# KiCad board mse-68-vhdci-panel.kicad_pcb (continued)
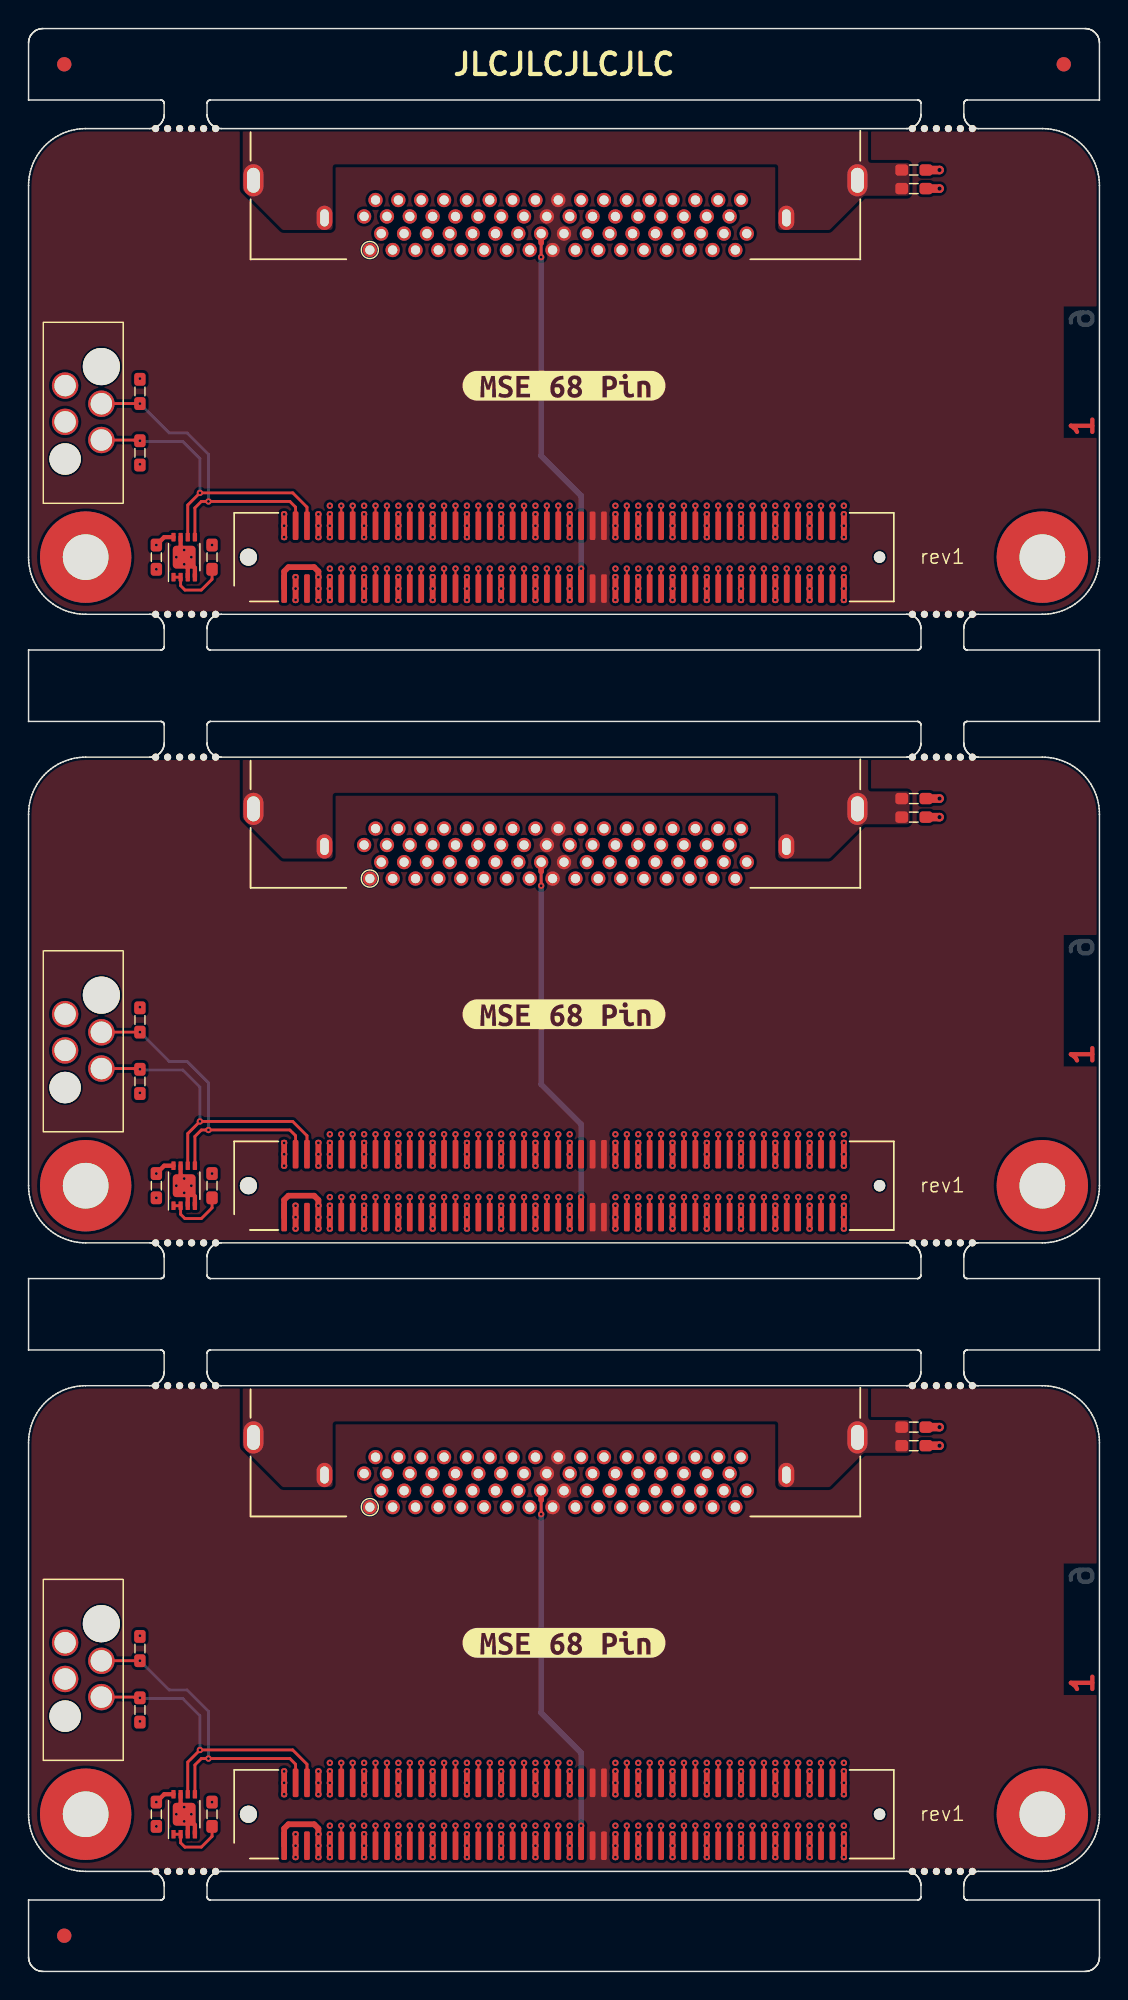
[diagram p0: board, top side]
## Routing (per net, layer and track width the routed paths; a pad name or vN(x,y) marks a point on that pad's centre or on a via; arc(x,y) is an arc through that point) (continued)
Board_2-/CON.DB13-: length 27
  Top w0.151: v1(22.7,14.6) J1.14
  In2.Cu w0.151: v1(22.7,14.6) 24.9,16.8 24.9,18 arc(24.97,18.17) 25.14,18.24 25.15,18.24 arc(25.32,18.31) 25.39,18.48 25.39,18.6 arc(25.32,18.77) 25.15,18.84 25.14,18.84 arc(24.97,18.91) 24.9,19.08 24.9,19.2 arc(24.97,19.37) 25.14,19.44 25.15,19.44 arc(25.32,19.51) 25.39,19.68 25.39,19.8 arc(25.32,19.97) 25.15,20.04 25.14,20.04 arc(24.97,20.11) 24.9,20.28 24.9,20.4 arc(24.97,20.57) 25.14,20.64 25.15,20.64 arc(25.32,20.71) 25.39,20.88 25.39,21 arc(25.32,21.17) 25.15,21.24 25.14,21.24 arc(24.97,21.31) 24.9,21.48 24.9,21.6 arc(24.97,21.77) 25.14,21.84 25.15,21.84 arc(25.32,21.91) 25.39,22.08 25.39,22.2 arc(25.32,22.37) 25.15,22.44 25.14,22.44 arc(24.97,22.51) 24.9,22.68 24.9,22.8 arc(24.97,22.97) 25.14,23.04 25.15,23.04 arc(25.32,23.11) 25.39,23.28 25.39,23.4 arc(25.32,23.57) 25.15,23.64 25.14,23.64 arc(24.97,23.71) 24.9,23.88 24.9,32.69 24.1,33.49 24.1,34 24.3,34.2 J4.36
Board_2-/CON.DB14+: length 29.6
  Top w0.151: J1.17 v1(24.3,10.2)
  In3.Cu w0.151: J4.3 26.1,31.9 26.1,29.88 arc(26.03,29.71) 25.86,29.64 arc(25.69,29.57) 25.62,29.4 25.62,29.28 arc(25.69,29.11) 25.86,29.04 arc(26.03,28.97) 26.1,28.8 26.1,28.68 arc(26.03,28.51) 25.86,28.44 arc(25.69,28.37) 25.63,28.2 25.63,28.08 arc(25.69,27.91) 25.86,27.84 arc(26.03,27.77) 26.1,27.6 26.1,27.48 arc(26.03,27.31) 25.86,27.24 arc(25.69,27.17) 25.63,27 25.63,26.88 arc(25.69,26.71) 25.86,26.64 arc(26.03,26.57) 26.1,26.4 26.1,26.21 arc(26.04,26.07) 25.9,26.01 arc(25.75,25.95) 25.69,25.8 25.69,25.61 arc(25.75,25.47) 25.9,25.41 arc(26.04,25.35) 26.1,25.2 26.1,25.01 arc(26.04,24.87) 25.9,24.81 arc(25.75,24.75) 25.69,24.6 25.69,24.41 arc(25.75,24.27) 25.9,24.21 arc(26.04,24.15) 26.1,24 26.1,23.81 arc(26.04,23.67) 25.9,23.61 arc(25.75,23.55) 25.69,23.4 25.69,23.21 arc(25.75,23.07) 25.9,23.01 arc(26.04,22.95) 26.1,22.8 26.1,22.61 arc(26.04,22.47) 25.9,22.41 arc(25.75,22.35) 25.69,22.2 25.69,22.01 arc(25.75,21.87) 25.9,21.81 arc(26.04,21.75) 26.1,21.6 26.1,21.41 arc(26.04,21.27) 25.9,21.21 arc(25.75,21.15) 25.69,21 25.69,20.81 arc(25.75,20.67) 25.9,20.61 arc(26.04,20.55) 26.1,20.4 26.1,20.21 arc(26.04,20.07) 25.9,20.01 arc(25.75,19.95) 25.69,19.8 25.69,19.61 arc(25.75,19.47) 25.9,19.41 arc(26.04,19.35) 26.1,19.2 26.1,19.01 arc(26.04,18.87) 25.9,18.81 arc(25.75,18.75) 25.69,18.6 25.69,18.41 arc(25.75,18.27) 25.9,18.21 arc(26.04,18.15) 26.1,18 26.1,16.4 24.7,15 24.7,10.6 v1(24.3,10.2)
Board_2-/CON.DB14-: length 27
  Top w0.151: J1.18 v1(24.3,14.6)
  In2.Cu w0.151: v1(24.3,14.6) 26.1,16.4 26.1,18 arc(26.05,18.13) 25.92,18.18 arc(25.8,18.23) 25.75,18.36 25.75,18.6 arc(25.8,18.73) 25.92,18.78 arc(26.05,18.83) 26.1,18.96 26.1,19.2 arc(26.05,19.33) 25.92,19.38 arc(25.8,19.43) 25.75,19.56 25.75,19.8 arc(25.8,19.93) 25.92,19.98 arc(26.05,20.03) 26.1,20.16 26.1,20.4 arc(26.05,20.53) 25.92,20.58 arc(25.8,20.63) 25.75,20.76 25.75,21 arc(25.8,21.13) 25.92,21.18 arc(26.05,21.23) 26.1,21.36 26.1,21.6 arc(26.05,21.73) 25.92,21.78 arc(25.8,21.83) 25.75,21.96 25.75,22.2 arc(25.8,22.33) 25.92,22.38 arc(26.05,22.43) 26.1,22.56 26.1,22.8 arc(26.05,22.93) 25.92,22.98 arc(25.8,23.03) 25.75,23.16 25.75,23.4 arc(25.8,23.53) 25.92,23.58 arc(26.05,23.63) 26.1,23.76 26.1,24 arc(26.03,24.17) 25.87,24.24 arc(25.7,24.3) 25.63,24.47 25.63,24.6 arc(25.7,24.77) 25.87,24.84 arc(26.03,24.9) 26.1,25.07 26.1,25.2 arc(26.03,25.37) 25.87,25.44 arc(25.7,25.5) 25.63,25.67 25.63,25.8 arc(25.7,25.97) 25.87,26.04 arc(26.03,26.1) 26.1,26.27 26.1,26.4 arc(26.03,26.57) 25.87,26.64 arc(25.7,26.7) 25.63,26.87 25.63,27 arc(25.7,27.17) 25.87,27.24 arc(26.03,27.3) 26.1,27.47 26.1,27.6 arc(26.03,27.77) 25.87,27.84 arc(25.7,27.9) 25.63,28.07 25.63,28.2 arc(25.7,28.37) 25.87,28.44 arc(26.03,28.5) 26.1,28.67 26.1,32.65 25.3,33.45 25.3,34 25.1,34.2 J4.37
Board_2-/CON.DB15+: length 29.6
  Top w0.151: J1.19 v1(25.1,10.2)
  In3.Cu w0.151: v1(25.1,10.2) 25.4,10.5 25.4,14.9 26.5,16 26.5,18 arc(26.57,18.17) 26.74,18.24 26.76,18.24 arc(26.93,18.31) 27,18.48 27,18.6 arc(26.93,18.77) 26.76,18.84 26.74,18.84 arc(26.57,18.91) 26.5,19.08 26.5,19.2 arc(26.57,19.37) 26.74,19.44 26.76,19.44 arc(26.93,19.51) 27,19.68 27,19.8 arc(26.93,19.97) 26.76,20.04 26.74,20.04 arc(26.57,20.11) 26.5,20.28 26.5,20.4 arc(26.57,20.57) 26.74,20.64 26.76,20.64 arc(26.93,20.71) 27,20.88 27,21 arc(26.93,21.17) 26.76,21.24 26.74,21.24 arc(26.57,21.31) 26.5,21.48 26.5,21.6 arc(26.57,21.77) 26.74,21.84 26.76,21.84 arc(26.93,21.91) 27,22.08 27,22.2 arc(26.93,22.37) 26.76,22.44 26.74,22.44 arc(26.57,22.51) 26.5,22.68 26.5,22.8 arc(26.57,22.97) 26.74,23.04 26.76,23.04 arc(26.93,23.11) 27,23.28 27,23.4 arc(26.93,23.57) 26.76,23.64 26.74,23.64 arc(26.57,23.71) 26.5,23.88 26.5,24 arc(26.57,24.17) 26.74,24.24 26.76,24.24 arc(26.93,24.31) 27,24.48 27,24.6 arc(26.93,24.77) 26.76,24.84 26.74,24.84 arc(26.57,24.91) 26.5,25.08 26.5,25.2 arc(26.57,25.37) 26.74,25.44 26.76,25.44 arc(26.93,25.51) 27,25.68 27,25.8 arc(26.93,25.97) 26.76,26.04 26.74,26.04 arc(26.57,26.11) 26.5,26.28 26.5,32.1 26.3,32.3 J4.4
Board_2-/CON.DB15-: length 27
  Top w0.151: J1.20 v1(25.1,14.6)
  In2.Cu w0.151: J4.38 25.9,34.2 25.7,34 25.7,33.49 26.5,32.69 26.5,25.07 arc(26.57,24.9) 26.73,24.83 arc(26.9,24.77) 26.96,24.6 26.96,24.47 arc(26.9,24.3) 26.73,24.23 arc(26.57,24.17) 26.5,24 26.5,23.87 arc(26.57,23.7) 26.73,23.63 arc(26.9,23.57) 26.96,23.4 26.96,23.27 arc(26.9,23.1) 26.73,23.03 arc(26.57,22.97) 26.5,22.8 26.5,22.67 arc(26.57,22.5) 26.73,22.43 arc(26.9,22.37) 26.96,22.2 26.96,22.07 arc(26.9,21.9) 26.73,21.83 arc(26.57,21.77) 26.5,21.6 26.5,21.47 arc(26.57,21.3) 26.73,21.23 arc(26.9,21.17) 26.96,21 26.96,20.87 arc(26.9,20.7) 26.73,20.63 arc(26.57,20.57) 26.5,20.4 26.5,20.27 arc(26.57,20.1) 26.73,20.03 arc(26.9,19.97) 26.96,19.8 26.96,19.67 arc(26.9,19.5) 26.73,19.43 arc(26.57,19.37) 26.5,19.2 26.5,19.07 arc(26.57,18.9) 26.73,18.83 arc(26.9,18.77) 26.96,18.6 26.96,18.47 arc(26.9,18.3) 26.73,18.23 arc(26.57,18.17) 26.5,18 26.5,16 v1(25.1,14.6)
Board_2-/CON.DIFFSENSE: length 27.7
  Top w0.2: 35.9,33 v1(35.9,32)
  Top w0.4: J1.53 v1(38.7,10.2) ; J4.16 35.9,33
  Bottom w0.2: 35.9,33 v1(35.9,32)
  Bottom w0.4: v1(38.7,10.2) 38.7,15.3 35.9,18.1 v1(35.9,32) ; J4.16 35.9,33
Board_2-/CON.DP0+: length 29.6
  Top w0.151: J1.49 v1(37.1,10.2)
  In3.Cu w0.151: v1(37.1,10.2) 36.7,10.6 36.7,15 34.5,17.2 34.5,18 arc(34.57,18.16) 34.72,18.23 arc(34.88,18.29) 34.95,18.45 34.95,18.6 arc(34.88,18.76) 34.72,18.83 arc(34.57,18.89) 34.5,19.05 34.5,19.2 arc(34.57,19.36) 34.72,19.43 arc(34.88,19.49) 34.95,19.65 34.95,19.8 arc(34.88,19.96) 34.72,20.03 arc(34.57,20.09) 34.5,20.25 34.5,20.4 arc(34.57,20.56) 34.72,20.63 arc(34.88,20.69) 34.95,20.85 34.95,21 arc(34.88,21.16) 34.72,21.23 arc(34.57,21.29) 34.5,21.45 34.5,21.6 arc(34.57,21.76) 34.72,21.83 arc(34.88,21.89) 34.95,22.05 34.95,22.2 arc(34.88,22.36) 34.72,22.43 arc(34.57,22.49) 34.5,22.65 34.5,22.8 arc(34.57,22.96) 34.72,23.03 arc(34.88,23.09) 34.95,23.25 34.95,23.4 arc(34.88,23.56) 34.72,23.63 arc(34.57,23.69) 34.5,23.85 34.5,24 arc(34.57,24.16) 34.72,24.23 arc(34.88,24.29) 34.95,24.45 34.95,24.6 arc(34.88,24.76) 34.72,24.83 arc(34.57,24.89) 34.5,25.05 34.5,25.2 arc(34.57,25.36) 34.72,25.43 arc(34.88,25.49) 34.95,25.65 34.95,25.8 arc(34.88,25.96) 34.72,26.03 arc(34.57,26.09) 34.5,26.25 34.5,32.05 34.3,32.25 J4.14
Board_2-/CON.DP0-: length 27
  Top w0.151: J1.50 v1(37.1,14.6)
  In2.Cu w0.151: J4.48 33.9,34.2 33.7,34 33.7,33.48 34.5,32.68 34.5,23.87 arc(34.57,23.71) 34.73,23.64 arc(34.9,23.57) 34.97,23.4 34.97,23.27 arc(34.9,23.11) 34.73,23.04 arc(34.57,22.97) 34.5,22.8 34.5,22.67 arc(34.57,22.51) 34.73,22.44 arc(34.9,22.37) 34.97,22.2 34.97,22.07 arc(34.9,21.91) 34.73,21.84 arc(34.57,21.77) 34.5,21.6 34.5,21.47 arc(34.57,21.31) 34.73,21.24 arc(34.9,21.17) 34.97,21 34.97,20.87 arc(34.9,20.71) 34.73,20.64 arc(34.57,20.57) 34.5,20.4 34.5,20.27 arc(34.57,20.11) 34.73,20.04 arc(34.9,19.97) 34.97,19.8 34.97,19.67 arc(34.9,19.51) 34.73,19.44 arc(34.57,19.37) 34.5,19.2 34.5,19.07 arc(34.57,18.91) 34.73,18.84 arc(34.9,18.77) 34.97,18.6 34.97,18.47 arc(34.9,18.31) 34.73,18.24 arc(34.57,18.17) 34.5,18 34.5,17.2 v1(37.1,14.6)
Board_2-/CON.DP1+: length 29.6
  Top w0.151: J1.23 v1(26.7,10.2)
  In3.Cu w0.151: J4.5 27.7,31.9 27.7,31.08 arc(27.63,30.91) 27.46,30.84 27.45,30.84 arc(27.28,30.77) 27.21,30.6 27.21,30.48 arc(27.28,30.31) 27.45,30.24 27.46,30.24 arc(27.63,30.17) 27.7,30 27.7,29.88 arc(27.63,29.71) 27.46,29.64 27.45,29.64 arc(27.28,29.57) 27.21,29.4 27.21,29.28 arc(27.28,29.11) 27.45,29.04 27.46,29.04 arc(27.63,28.97) 27.7,28.8 27.7,28.68 arc(27.63,28.51) 27.46,28.44 27.45,28.44 arc(27.28,28.37) 27.21,28.2 27.21,28.08 arc(27.28,27.91) 27.45,27.84 27.46,27.84 arc(27.63,27.77) 27.7,27.6 27.7,27.48 arc(27.63,27.31) 27.46,27.24 27.45,27.24 arc(27.28,27.17) 27.21,27 27.21,26.88 arc(27.28,26.71) 27.45,26.64 27.46,26.64 arc(27.63,26.57) 27.7,26.4 27.7,26.18 arc(27.65,26.04) 27.51,25.99 arc(27.38,25.93) 27.33,25.8 27.33,25.58 arc(27.38,25.44) 27.51,25.39 arc(27.65,25.33) 27.7,25.2 27.7,24.98 arc(27.65,24.84) 27.51,24.79 arc(27.38,24.73) 27.33,24.6 27.33,24.38 arc(27.38,24.24) 27.51,24.19 arc(27.65,24.13) 27.7,24 27.7,23.78 arc(27.65,23.64) 27.51,23.59 arc(27.38,23.53) 27.33,23.4 27.33,23.18 arc(27.38,23.04) 27.51,22.99 arc(27.65,22.93) 27.7,22.8 27.7,22.58 arc(27.65,22.44) 27.51,22.39 arc(27.38,22.33) 27.33,22.2 27.33,21.98 arc(27.38,21.84) 27.51,21.79 arc(27.65,21.73) 27.7,21.6 27.7,21.38 arc(27.65,21.24) 27.51,21.19 arc(27.38,21.13) 27.33,21 27.33,20.78 arc(27.38,20.64) 27.51,20.59 arc(27.65,20.53) 27.7,20.4 27.7,20.18 arc(27.65,20.04) 27.51,19.99 arc(27.38,19.93) 27.33,19.8 27.33,19.58 arc(27.38,19.44) 27.51,19.39 arc(27.65,19.33) 27.7,19.2 27.7,18.98 arc(27.65,18.84) 27.51,18.79 arc(27.38,18.73) 27.33,18.6 27.33,18.38 arc(27.38,18.24) 27.51,18.19 arc(27.65,18.13) 27.7,18 27.7,15.6 27.1,15 27.1,10.6 v1(26.7,10.2)
Board_2-/CON.DP1-: length 27
  Top w0.151: J1.24 v1(26.7,14.6)
  In2.Cu w0.151: v1(26.7,14.6) 27.7,15.6 27.7,18 arc(27.64,18.15) 27.49,18.21 arc(27.35,18.27) 27.28,18.42 27.28,18.6 arc(27.35,18.75) 27.49,18.81 arc(27.64,18.87) 27.7,19.02 27.7,19.2 arc(27.64,19.35) 27.49,19.41 arc(27.35,19.47) 27.28,19.62 27.28,19.8 arc(27.35,19.95) 27.49,20.01 arc(27.64,20.07) 27.7,20.22 27.7,20.4 arc(27.64,20.55) 27.49,20.61 arc(27.35,20.67) 27.28,20.82 27.28,21 arc(27.35,21.15) 27.49,21.21 arc(27.64,21.27) 27.7,21.42 27.7,21.6 arc(27.64,21.75) 27.49,21.81 arc(27.35,21.87) 27.28,22.02 27.28,22.2 arc(27.35,22.35) 27.49,22.41 arc(27.64,22.47) 27.7,22.62 27.7,22.8 arc(27.64,22.95) 27.49,23.01 arc(27.35,23.07) 27.28,23.22 27.28,23.4 arc(27.35,23.55) 27.49,23.61 arc(27.64,23.67) 27.7,23.82 27.7,24 arc(27.64,24.15) 27.49,24.21 arc(27.35,24.27) 27.28,24.42 27.28,24.6 arc(27.35,24.75) 27.49,24.81 arc(27.64,24.87) 27.7,25.02 27.7,25.2 arc(27.63,25.37) 27.46,25.44 arc(27.29,25.51) 27.22,25.68 27.22,25.8 arc(27.29,25.97) 27.46,26.04 arc(27.63,26.11) 27.7,26.28 27.7,26.4 arc(27.63,26.57) 27.46,26.64 arc(27.29,26.71) 27.22,26.88 27.22,27 arc(27.29,27.17) 27.46,27.24 arc(27.63,27.31) 27.7,27.48 27.7,27.6 arc(27.63,27.77) 27.46,27.84 arc(27.29,27.91) 27.22,28.08 27.22,28.2 arc(27.29,28.37) 27.46,28.44 arc(27.63,28.51) 27.7,28.68 27.7,32.65 26.9,33.45 26.9,34 26.7,34.2 J4.39
Board_2-/CON.I/O+: length 29.6
  Top w0.151: J1.85 v1(51.5,10.2)
  In3.Cu w0.151: J4.30 47.1,32.3 47.3,32.1 47.3,28.03 arc(47.36,27.88) 47.51,27.82 arc(47.66,27.75) 47.73,27.6 47.73,27.43 arc(47.66,27.28) 47.51,27.22 arc(47.36,27.15) 47.3,27 47.3,26.83 arc(47.36,26.68) 47.51,26.62 arc(47.66,26.55) 47.73,26.4 47.73,26.23 arc(47.66,26.08) 47.51,26.02 arc(47.36,25.95) 47.3,25.8 47.3,25.63 arc(47.36,25.48) 47.51,25.42 arc(47.66,25.35) 47.73,25.2 47.73,25.03 arc(47.66,24.88) 47.51,24.82 arc(47.36,24.75) 47.3,24.6 47.3,24.43 arc(47.36,24.28) 47.51,24.22 arc(47.66,24.15) 47.73,24 47.73,23.83 arc(47.66,23.68) 47.51,23.62 arc(47.36,23.55) 47.3,23.4 47.3,23.23 arc(47.36,23.08) 47.51,23.02 arc(47.66,22.95) 47.73,22.8 47.73,22.63 arc(47.66,22.48) 47.51,22.42 arc(47.36,22.35) 47.3,22.2 47.3,22.03 arc(47.36,21.88) 47.51,21.82 arc(47.66,21.75) 47.73,21.6 47.73,21.43 arc(47.66,21.28) 47.51,21.22 arc(47.36,21.15) 47.3,21 47.3,18.8 51.1,15 51.1,10.6 v1(51.5,10.2)
Board_2-/CON.I/O-: length 27
  Top w0.151: J1.86 v1(51.5,14.6)
  In2.Cu w0.151: J4.64 46.7,34.2 46.5,34 46.5,33.5 47.3,32.7 47.3,25.68 arc(47.37,25.51) 47.54,25.44 47.55,25.44 arc(47.72,25.37) 47.79,25.2 47.79,25.08 arc(47.72,24.91) 47.55,24.84 47.54,24.84 arc(47.37,24.77) 47.3,24.6 47.3,24.43 arc(47.36,24.28) 47.51,24.21 arc(47.66,24.15) 47.72,24 47.72,23.83 arc(47.66,23.68) 47.51,23.61 arc(47.36,23.55) 47.3,23.4 47.3,23.23 arc(47.36,23.08) 47.51,23.01 arc(47.66,22.95) 47.72,22.8 47.72,22.63 arc(47.66,22.48) 47.51,22.41 arc(47.36,22.35) 47.3,22.2 47.3,22.03 arc(47.36,21.88) 47.51,21.81 arc(47.66,21.75) 47.72,21.6 47.72,21.43 arc(47.66,21.28) 47.51,21.21 arc(47.36,21.15) 47.3,21 47.3,18.8 v1(51.5,14.6)
Board_2-/CON.MSG+: length 29.6
  Top w0.151: J1.73 v1(46.7,10.2)
  In3.Cu w0.151: J4.26 43.9,32.3 44.1,32.1 44.1,30.39 arc(44.16,30.26) 44.3,30.2 arc(44.44,30.14) 44.49,30 44.49,29.79 arc(44.44,29.66) 44.3,29.6 arc(44.16,29.54) 44.1,29.4 44.1,29.19 arc(44.16,29.06) 44.3,29 arc(44.44,28.94) 44.49,28.8 44.49,28.59 arc(44.44,28.46) 44.3,28.4 arc(44.16,28.34) 44.1,28.2 44.1,27.99 arc(44.16,27.86) 44.3,27.8 arc(44.44,27.74) 44.49,27.6 44.49,27.39 arc(44.44,27.26) 44.3,27.2 arc(44.16,27.14) 44.1,27 44.1,26.79 arc(44.16,26.66) 44.3,26.6 arc(44.44,26.54) 44.49,26.4 44.49,26.19 arc(44.44,26.06) 44.3,26 arc(44.16,25.94) 44.1,25.8 44.1,25.59 arc(44.16,25.46) 44.3,25.4 arc(44.44,25.34) 44.49,25.2 44.49,24.99 arc(44.44,24.86) 44.3,24.8 arc(44.16,24.74) 44.1,24.6 44.1,24.39 arc(44.16,24.26) 44.3,24.2 arc(44.44,24.14) 44.49,24 44.49,23.79 arc(44.44,23.66) 44.3,23.6 arc(44.16,23.54) 44.1,23.4 44.1,23.19 arc(44.16,23.06) 44.3,23 arc(44.44,22.94) 44.49,22.8 44.49,22.59 arc(44.44,22.46) 44.3,22.4 arc(44.16,22.34) 44.1,22.2 44.1,21.99 arc(44.16,21.86) 44.3,21.8 arc(44.44,21.74) 44.49,21.6 44.49,21.39 arc(44.44,21.26) 44.3,21.2 arc(44.16,21.14) 44.1,21 44.1,17.2 46.3,15 46.3,10.6 v1(46.7,10.2)
Board_2-/CON.MSG-: length 27
  Top w0.151: v1(46.7,14.6) J1.74
  In2.Cu w0.151: v1(46.7,14.6) 44.1,17.2 44.1,21 arc(44.16,21.14) 44.3,21.2 arc(44.43,21.25) 44.49,21.39 44.49,21.6 arc(44.43,21.74) 44.3,21.8 arc(44.16,21.85) 44.1,21.99 44.1,22.2 arc(44.16,22.34) 44.3,22.4 arc(44.43,22.45) 44.49,22.59 44.49,22.8 arc(44.43,22.94) 44.3,23 arc(44.16,23.05) 44.1,23.19 44.1,23.4 arc(44.16,23.54) 44.3,23.6 arc(44.43,23.65) 44.49,23.79 44.49,24 arc(44.43,24.14) 44.3,24.2 arc(44.16,24.25) 44.1,24.39 44.1,24.6 arc(44.16,24.74) 44.3,24.8 arc(44.43,24.85) 44.49,24.99 44.49,25.2 arc(44.43,25.34) 44.3,25.4 arc(44.16,25.45) 44.1,25.59 44.1,25.8 arc(44.16,25.94) 44.3,26 arc(44.43,26.05) 44.49,26.19 44.49,26.4 arc(44.43,26.54) 44.3,26.6 arc(44.16,26.65) 44.1,26.79 44.1,27 arc(44.16,27.14) 44.3,27.2 arc(44.43,27.25) 44.49,27.39 44.49,27.6 arc(44.43,27.74) 44.3,27.8 arc(44.16,27.85) 44.1,27.99 44.1,32.7 43.3,33.5 43.3,34 43.5,34.2 J4.60
Board_2-/CON.REQ+: length 29.6
  Top w0.151: J1.83 v1(50.7,10.2)
  In3.Cu w0.151: J4.29 46.9,31.9 46.9,29.28 arc(46.83,29.11) 46.66,29.04 46.64,29.04 arc(46.47,28.97) 46.4,28.8 46.4,28.68 arc(46.47,28.51) 46.64,28.44 46.66,28.44 arc(46.83,28.37) 46.9,28.2 46.9,28.08 arc(46.83,27.91) 46.66,27.84 46.64,27.84 arc(46.47,27.77) 46.4,27.6 46.4,27.48 arc(46.47,27.31) 46.64,27.24 46.66,27.24 arc(46.83,27.17) 46.9,27 46.9,26.88 arc(46.83,26.71) 46.66,26.64 46.64,26.64 arc(46.47,26.57) 46.4,26.4 46.4,26.28 arc(46.47,26.11) 46.64,26.04 46.66,26.04 arc(46.83,25.97) 46.9,25.8 46.9,25.68 arc(46.83,25.51) 46.66,25.44 46.64,25.44 arc(46.47,25.37) 46.4,25.2 46.4,25.08 arc(46.47,24.91) 46.64,24.84 46.66,24.84 arc(46.83,24.77) 46.9,24.6 46.9,24.48 arc(46.83,24.31) 46.66,24.24 46.64,24.24 arc(46.47,24.17) 46.4,24 46.4,23.88 arc(46.47,23.71) 46.64,23.64 46.66,23.64 arc(46.83,23.57) 46.9,23.4 46.9,23.28 arc(46.83,23.11) 46.66,23.04 46.64,23.04 arc(46.47,22.97) 46.4,22.8 46.4,22.68 arc(46.47,22.51) 46.64,22.44 46.66,22.44 arc(46.83,22.37) 46.9,22.2 46.9,22.08 arc(46.83,21.91) 46.66,21.84 46.64,21.84 arc(46.47,21.77) 46.4,21.6 46.4,21.48 arc(46.47,21.31) 46.64,21.24 46.66,21.24 arc(46.83,21.17) 46.9,21 46.9,18.4 50.39,14.91 50.39,10.51 v1(50.7,10.2)
Board_2-/CON.REQ-: length 27
  Top w0.151: J1.84 v1(50.7,14.6)
  In2.Cu w0.151: v1(50.7,14.6) 46.9,18.4 46.9,21 arc(46.85,21.13) 46.72,21.19 arc(46.59,21.24) 46.53,21.37 46.53,21.6 arc(46.59,21.73) 46.72,21.79 arc(46.85,21.84) 46.9,21.97 46.9,22.2 arc(46.85,22.33) 46.72,22.39 arc(46.59,22.44) 46.53,22.57 46.53,22.8 arc(46.59,22.93) 46.72,22.99 arc(46.85,23.04) 46.9,23.17 46.9,23.4 arc(46.85,23.53) 46.72,23.59 arc(46.59,23.64) 46.53,23.77 46.53,24 arc(46.59,24.13) 46.72,24.19 arc(46.85,24.24) 46.9,24.37 46.9,24.6 arc(46.85,24.73) 46.72,24.79 arc(46.59,24.84) 46.53,24.97 46.53,25.2 arc(46.59,25.33) 46.72,25.39 arc(46.85,25.44) 46.9,25.57 46.9,25.8 arc(46.83,25.97) 46.66,26.04 46.66,26.04 arc(46.49,26.11) 46.42,26.28 46.42,26.4 arc(46.49,26.57) 46.66,26.64 46.66,26.64 arc(46.83,26.71) 46.9,26.88 46.9,27 arc(46.83,27.17) 46.66,27.24 46.66,27.24 arc(46.49,27.31) 46.42,27.48 46.42,27.6 arc(46.49,27.77) 46.66,27.84 46.66,27.84 arc(46.83,27.91) 46.9,28.08 46.9,28.2 arc(46.83,28.37) 46.66,28.44 46.66,28.44 arc(46.49,28.51) 46.42,28.68 46.42,28.8 arc(46.49,28.97) 46.66,29.04 46.66,29.04 arc(46.83,29.11) 46.9,29.28 46.9,32.68 46.1,33.48 46.1,34 45.9,34.2 J4.63
Board_2-/CON.RST+: length 29.6
  Top w0.151: J1.71 v1(45.9,10.2)
  In3.Cu w0.151: J4.25 43.7,31.9 43.7,30.67 arc(43.63,30.51) 43.46,30.44 arc(43.3,30.37) 43.23,30.2 43.23,30.07 arc(43.3,29.91) 43.46,29.84 arc(43.63,29.77) 43.7,29.6 43.7,29.47 arc(43.63,29.31) 43.46,29.24 arc(43.3,29.17) 43.23,29 43.23,28.87 arc(43.3,28.71) 43.46,28.64 arc(43.63,28.57) 43.7,28.4 43.7,28.27 arc(43.63,28.11) 43.46,28.04 arc(43.3,27.97) 43.23,27.8 43.23,27.67 arc(43.3,27.51) 43.46,27.44 arc(43.63,27.37) 43.7,27.2 43.7,27.07 arc(43.63,26.91) 43.46,26.84 arc(43.3,26.77) 43.23,26.6 43.23,26.47 arc(43.3,26.31) 43.46,26.24 arc(43.63,26.17) 43.7,26 43.7,25.87 arc(43.63,25.71) 43.46,25.64 arc(43.3,25.57) 43.23,25.4 43.23,25.27 arc(43.3,25.11) 43.46,25.04 arc(43.63,24.97) 43.7,24.8 43.7,24.67 arc(43.63,24.51) 43.46,24.44 arc(43.3,24.37) 43.23,24.2 43.23,24.07 arc(43.3,23.91) 43.46,23.84 arc(43.63,23.77) 43.7,23.6 43.7,23.47 arc(43.63,23.31) 43.46,23.24 arc(43.3,23.17) 43.23,23 43.23,22.87 arc(43.3,22.71) 43.46,22.64 arc(43.63,22.57) 43.7,22.4 43.7,22.27 arc(43.63,22.11) 43.46,22.04 arc(43.3,21.97) 43.23,21.8 43.23,21.67 arc(43.3,21.51) 43.46,21.44 arc(43.63,21.37) 43.7,21.2 43.7,20.96 arc(43.65,20.83) 43.52,20.78 arc(43.39,20.73) 43.34,20.6 43.34,20.36 arc(43.39,20.23) 43.52,20.18 arc(43.65,20.13) 43.7,20 43.7,16.8 45.59,14.91 45.59,14.41 45.6,14.4 45.59,14.39 45.59,10.51 v1(45.9,10.2)
Board_2-/CON.RST-: length 27
  Top w0.151: J1.72 v1(45.9,14.6)
  In2.Cu w0.151: v1(45.9,14.6) 43.7,16.8 43.7,20 arc(43.64,20.14) 43.51,20.19 arc(43.38,20.25) 43.32,20.38 43.32,20.6 arc(43.38,20.74) 43.51,20.79 arc(43.64,20.85) 43.7,20.98 43.7,21.2 arc(43.64,21.35) 43.49,21.42 arc(43.34,21.48) 43.27,21.63 43.27,21.8 arc(43.34,21.95) 43.49,22.02 arc(43.64,22.08) 43.7,22.23 43.7,22.4 arc(43.64,22.55) 43.49,22.62 arc(43.34,22.68) 43.27,22.83 43.27,23 arc(43.34,23.15) 43.49,23.22 arc(43.64,23.28) 43.7,23.43 43.7,23.6 arc(43.64,23.75) 43.49,23.82 arc(43.34,23.88) 43.27,24.03 43.27,24.2 arc(43.34,24.35) 43.49,24.42 arc(43.64,24.48) 43.7,24.63 43.7,24.8 arc(43.64,24.95) 43.49,25.02 arc(43.34,25.08) 43.27,25.23 43.27,25.4 arc(43.34,25.55) 43.49,25.62 arc(43.64,25.68) 43.7,25.83 43.7,26 arc(43.64,26.15) 43.49,26.22 arc(43.34,26.28) 43.27,26.43 43.27,26.6 arc(43.34,26.75) 43.49,26.82 arc(43.64,26.88) 43.7,27.03 43.7,27.2 arc(43.63,27.37) 43.46,27.44 43.45,27.44 arc(43.28,27.51) 43.21,27.68 43.21,27.8 arc(43.28,27.97) 43.45,28.04 43.46,28.04 arc(43.63,28.11) 43.7,28.28 43.7,28.4 arc(43.63,28.57) 43.46,28.64 43.45,28.64 arc(43.28,28.71) 43.21,28.88 43.21,29 arc(43.28,29.17) 43.45,29.24 43.46,29.24 arc(43.63,29.31) 43.7,29.48 43.7,32.68 42.9,33.48 42.9,34 42.7,34.2 J4.59
Board_2-/CON.SEL+: length 29.6
  Top w0.151: J1.77 v1(48.3,10.2)
  In3.Cu w0.151: J4.27 45.3,31.9 45.3,30.48 arc(45.23,30.31) 45.06,30.24 45.06,30.24 arc(44.89,30.17) 44.82,30 44.82,29.88 arc(44.89,29.71) 45.06,29.64 45.06,29.64 arc(45.23,29.57) 45.3,29.4 45.3,29.28 arc(45.23,29.11) 45.06,29.04 45.06,29.04 arc(44.89,28.97) 44.82,28.8 44.82,28.68 arc(44.89,28.51) 45.06,28.44 45.06,28.44 arc(45.23,28.37) 45.3,28.2 45.3,28.08 arc(45.23,27.91) 45.06,27.84 45.06,27.84 arc(44.89,27.77) 44.82,27.6 44.82,27.48 arc(44.89,27.31) 45.06,27.24 45.06,27.24 arc(45.23,27.17) 45.3,27 45.3,26.88 arc(45.23,26.71) 45.06,26.64 45.06,26.64 arc(44.89,26.57) 44.82,26.4 44.82,26.28 arc(44.89,26.11) 45.06,26.04 45.06,26.04 arc(45.23,25.97) 45.3,25.8 45.3,25.68 arc(45.23,25.51) 45.06,25.44 45.06,25.44 arc(44.89,25.37) 44.82,25.2 44.82,25.08 arc(44.89,24.91) 45.06,24.84 45.06,24.84 arc(45.23,24.77) 45.3,24.6 45.3,24.48 arc(45.23,24.31) 45.06,24.24 45.06,24.24 arc(44.89,24.17) 44.82,24 44.82,23.88 arc(44.89,23.71) 45.06,23.64 45.06,23.64 arc(45.23,23.57) 45.3,23.4 45.3,23.28 arc(45.23,23.11) 45.06,23.04 45.06,23.04 arc(44.89,22.97) 44.82,22.8 44.82,22.68 arc(44.89,22.51) 45.06,22.44 45.06,22.44 arc(45.23,22.37) 45.3,22.2 45.3,22.08 arc(45.23,21.91) 45.06,21.84 45.06,21.84 arc(44.89,21.77) 44.82,21.6 44.82,21.48 arc(44.89,21.31) 45.06,21.24 45.06,21.24 arc(45.23,21.17) 45.3,21 45.3,17.6 48,14.9 48,10.5 v1(48.3,10.2)
Board_2-/CON.SEL-: length 27
  Top w0.151: J1.78 v1(48.3,14.6)
  In2.Cu w0.151: v1(48.3,14.6) 45.3,17.6 45.3,21 arc(45.23,21.16) 45.07,21.23 arc(44.91,21.3) 44.84,21.46 44.84,21.6 arc(44.91,21.76) 45.07,21.83 arc(45.23,21.9) 45.3,22.06 45.3,22.2 arc(45.23,22.36) 45.07,22.43 arc(44.91,22.5) 44.84,22.66 44.84,22.8 arc(44.91,22.96) 45.07,23.03 arc(45.23,23.1) 45.3,23.26 45.3,23.4 arc(45.23,23.56) 45.07,23.63 arc(44.91,23.7) 44.84,23.86 44.84,24 arc(44.91,24.16) 45.07,24.23 arc(45.23,24.3) 45.3,24.46 45.3,24.6 arc(45.23,24.76) 45.07,24.83 arc(44.91,24.9) 44.84,25.06 44.84,25.2 arc(44.91,25.36) 45.07,25.43 arc(45.23,25.5) 45.3,25.66 45.3,25.8 arc(45.23,25.96) 45.07,26.03 arc(44.91,26.1) 44.84,26.26 44.84,26.4 arc(44.91,26.56) 45.07,26.63 arc(45.23,26.7) 45.3,26.86 45.3,27 arc(45.23,27.16) 45.07,27.23 arc(44.91,27.3) 44.84,27.46 44.84,27.6 arc(44.91,27.76) 45.07,27.83 arc(45.23,27.9) 45.3,28.06 45.3,28.2 arc(45.23,28.36) 45.07,28.43 arc(44.91,28.5) 44.84,28.66 44.84,28.8 arc(44.91,28.96) 45.07,29.03 arc(45.23,29.1) 45.3,29.26 45.3,32.68 44.5,33.48 44.5,34 44.3,34.2 J4.61
Board_2-/PHY.ID_SCL: length 22.5
  Top w0.2: J3#3.4 7.4,19.2 7.45,19.15 v1(7.8,19.15) ; U1#2.6 11.15,14.65 v1(12,15.5) 18.5,15.5 19.5,14.5 J1.6
  Bottom w0.2: v1(12,15.5) 12,17.9 10.8,19.1 7.85,19.1 v1(7.8,19.15)
Board_2-/PHY.ID_SDA: length 23
  Top w0.2: J1.4 18.7,14.5 18.3,14.9 12.1,14.9 11.65,14.45 U1#2.5 ; J3#3.2 5.11,21.75 v1(7.8,21.75)
  Bottom w0.2: v1(7.8,21.75) 9.85,19.7 11.1,19.7 12.6,18.2 v1(12.6,14.9)
Board_2-GND: length 9.9
  Top w0.3: U1#2.3 11.15,10.25 v1(10.9,10.5) ; v1(10.9,11.5) 10.65,11.75 U1#2.7 ; U1#2.4 11.65,10.25 U1#2.EP
  Top w0.4: J1.1 17.9,10 18.2,10.3 20,10.3 20.3,10 v1(20.3,9.6)
  Top w0.6: C2.1 v2(63.8,38.1) ; R4#3.2 v2(63.8,36.8)
  vias: v1(8.95,10.15) v1(10.35,11) v1(11.4,11) v1(17.9,14) v1(17.9,13.2) v1(17.9,12.4) v1(20.3,14) v1(20.3,13.2) v1(20.3,12.4) v1(20.3,8.8) v1(20.3,8) v1(21.1,14.6) v1(21.1,14) v1(21.1,13.2) v1(21.1,12.4) v1(21.1,10.2) v1(21.1,9.6) v1(21.1,8.8) v1(21.1,8) v1(23.5,14.6) v1(23.5,14) v1(23.5,13.2) v1(23.5,12.4) v1(23.5,10.2) v1(23.5,9.6) v1(23.5,8.8) v1(23.5,8) v1(25.9,14.6) v1(25.9,14) v1(25.9,13.2) v1(25.9,12.4) v1(25.9,10.2) v1(25.9,9.6) v1(25.9,8.8) v1(25.9,8) v1(28.3,14.6) v1(28.3,14) v1(28.3,13.2) v1(28.3,12.4) v1(28.3,10.2) v1(28.3,9.6) v1(28.3,8.8) v1(28.3,8) v1(30.7,14.6) v1(30.7,14) v1(30.7,13.2) v1(30.7,12.4) v1(30.7,10.2) v1(30.7,9.6) v1(30.7,8.8) v1(30.7,8) v1(33.1,14.6) v1(33.1,14) v1(33.1,13.2) v1(33.1,12.4) v1(33.1,10.2) v1(33.1,9.6) v1(33.1,8.8) v1(33.1,8) v1(35.5,14.6) v1(35.5,14) v1(35.5,13.2) v1(35.5,12.4) v1(35.5,10.2) v1(35.5,9.6) v1(35.5,8.8) v1(35.5,8) v1(37.9,14.6) v1(37.9,14) v1(37.9,13.2) v1(37.9,12.4) v1(37.9,10.2) v1(37.9,9.6) v1(37.9,8.8) v1(37.9,8) v1(41.1,14.6) v1(41.1,14) v1(41.1,13.2) v1(41.1,12.4) v1(41.1,10.2) v1(41.1,9.6) v1(41.1,8.8) v1(41.1,8) v1(42.7,14.6) v1(42.7,14) v1(42.7,13.2) v1(42.7,12.4) v1(42.7,10.2) v1(42.7,9.6) v1(42.7,8.8) v1(42.7,8) v1(45.1,14.6) v1(45.1,14) v1(45.1,13.2) v1(45.1,12.4) v1(45.1,10.2) v1(45.1,9.6) v1(45.1,8.8) v1(45.1,8) v1(47.5,14.6) v1(47.5,14) v1(47.5,13.2) v1(47.5,12.4) v1(47.5,10.2) v1(47.5,9.6) v1(47.5,8.8) v1(47.5,8) v1(49.9,14.6) v1(49.9,14) v1(49.9,13.2) v1(49.9,12.4) v1(49.9,10.2) v1(49.9,9.6) v1(49.9,8.8) v1(49.9,8) v1(52.3,14.6) v1(52.3,14) v1(52.3,13.2) v1(52.3,12.4) v1(52.3,10.2) v1(52.3,9.6) v1(52.3,8.8) v1(52.3,8) v1(54.7,14.6) v1(54.7,14) v1(54.7,13.2) v1(54.7,12.4) v1(54.7,10.2) v1(54.7,9.6) v1(54.7,8.8) v1(54.7,8) v1(57.1,14.6) v1(57.1,14) v1(57.1,13.2) v1(57.1,12.4) v1(57.1,10.2) v1(57.1,9.6) v1(57.1,8.8) v1(57.1,8)
Board_2-Net-(U1-E0): length 4.4
  Top w0.2: R1#2.1 12.85,9.45 12.1,8.7 10.95,8.7 10.65,9 U1#2.2 U1#2.1

## Copper pours and planes (outline as drawn; the poured copper is in the pictures)
Board_0-+3V3 on In2.Cu: 19,95.7 4,95.7 0.7,99 0.7,112.2 9,112.2 9,102 14.8,102 19,97.8
Board_0-/CON.TERMPWR on Top: 0,95 75,95 75,129 0,129
Board_0-/SHIELD on Top: 21.3,121.9 17.8,121.9 15,124.7 15,129 58.8,129 58.8,126.6 61.7,126.6 61.7,124.3 58.5,124.3 56.1,121.9 52.5,121.9 52.5,126.5 21.3,126.5
Board_0-GND on Bottom, In1.Cu, In2.Cu, In3.Cu, In4.Cu: 75,95 0,95 0,129 75,129
Board_1-+3V3 on In2.Cu: 19,51.7 4,51.7 0.7,55 0.7,68.2 9,68.2 9,58 14.8,58 19,53.8
Board_1-/CON.TERMPWR on Top: 0,51 75,51 75,85 0,85
Board_1-/SHIELD on Top: 21.3,77.9 17.8,77.9 15,80.7 15,85 58.8,85 58.8,82.6 61.7,82.6 61.7,80.3 58.5,80.3 56.1,77.9 52.5,77.9 52.5,82.5 21.3,82.5
Board_1-GND on Bottom, In1.Cu, In2.Cu, In3.Cu, In4.Cu: 75,51 0,51 0,85 75,85
Board_2-+3V3 on In2.Cu: 19,7.7 4,7.7 0.7,11 0.7,24.2 9,24.2 9,14 14.8,14 19,9.8
Board_2-/CON.TERMPWR on Top: 0,7 75,7 75,41 0,41
Board_2-/SHIELD on Top: 21.3,33.9 17.8,33.9 15,36.7 15,41 58.8,41 58.8,38.6 61.7,38.6 61.7,36.3 58.5,36.3 56.1,33.9 52.5,33.9 52.5,38.5 21.3,38.5
Board_2-GND on Bottom, In1.Cu, In2.Cu, In3.Cu, In4.Cu: 75,7 0,7 0,41 75,41

## Text on the board
Bottom: 6
Top: 1
F.Silkscreen: rev1 | JLCJLCJLCJLC
In1.Cu: 2
In2.Cu: 3
In3.Cu: 4
In4.Cu: 5
